# KiCad board SparkFun_BMV080_panelized.kicad_pcb (continued)
## Routing (per net, layer and track width the routed paths; a pad name or vN(x,y) marks a point on that pad's centre or on a via; arc(x,y) is an arc through that point) (continued)
  Top w0.203: 58.55,95.24 58.92,95.24 59.12,95.04 59.12,92.47 v1(58.67,92.03) ; U1#25.6 132.81,16.04 133.01,15.84 133.01,13.28 v1(132.56,12.83) ; v1(83.3,105.23) 83.75,105.67 83.75,108.24 83.55,108.44 U1#10.6 ; U1#28.6 132.81,82.04 133.01,81.84 133.01,79.28 v1(132.56,78.83) ; v1(83.3,26.03) 83.75,26.47 83.75,29.04 83.55,29.24 U1#4.6 ; v1(83.3,65.63) 83.75,66.07 83.75,68.64 83.55,68.84 U1#7.6 ; v1(9.41,92.03) 9.86,92.47 9.86,95.04 9.66,95.24 U1#33.6 ; v1(9.41,39.23) 9.86,39.67 9.86,42.24 9.66,42.44 U1#29.6 ; v1(132.56,26.03) 133.01,26.47 133.01,29.04 132.81,29.24 U1#26.6 ; U1#14.6 108.18,68.84 108.38,68.64 108.38,66.07 v1(107.93,65.63) ; U1#48.6 34.29,68.84 34.49,68.64 34.49,66.07 v1(34.04,65.63) ; v1(34.04,92.03) 34.49,92.47 34.49,95.04 34.29,95.24 U1#50.6 ; U1#19.6 108.18,121.64 108.38,121.44 108.38,118.88 v1(107.93,118.43) ; U1#34.6 9.66,29.24 9.86,29.04 9.86,26.47 v1(9.41,26.03) ; v1(83.3,118.43) 83.75,118.88 83.75,121.44 83.55,121.64 U1#11.6 ; U1#17.6 83.55,95.24 83.75,95.04 83.75,92.47 v1(83.3,92.03) ; v1(9.41,118.43) 9.86,118.88 9.86,121.44 9.66,121.64 U1#47.6 ; v1(107.93,105.23) 108.38,105.67 108.38,108.24 108.18,108.44 U1.6 ; U1#49.6 34.29,82.04 34.49,81.84 34.49,79.28 v1(34.04,78.83) ; v1(107.93,39.23) 108.38,39.67 108.38,42.24 108.18,42.44 U1#18.6 ; v1(34.04,105.23) 34.49,105.67 34.49,108.24 34.29,108.44 U1#53.6 ; U1#21.6 132.81,108.44 133.01,108.24 133.01,105.67 v1(132.56,105.23) ; U1#20.6 132.81,121.64 133.01,121.44 133.01,118.88 v1(132.56,118.43) ; v1(9.41,65.63) 9.86,66.07 9.86,68.64 9.66,68.84 U1#31.6 ; v1(107.93,52.43) 108.38,52.88 108.38,55.44 108.18,55.64 U1#13.6 ; v1(34.04,26.03) 34.49,26.47 34.49,29.04 34.29,29.24 U1#36.6 ; v1(34.04,52.43) 34.49,52.88 34.49,55.44 34.29,55.64 U1#44.6 ; v1(34.04,12.83) 34.49,13.28 34.49,15.84 34.29,16.04 U1#35.6 ; v1(58.67,26.03) 59.12,26.47 59.12,29.04 58.92,29.24 58.55,29.24 ; v1(107.93,26.03) 108.38,26.47 108.38,29.04 108.18,29.24 U1#2.6 ; v1(132.56,52.43) 133.01,52.88 133.01,55.44 132.81,55.64 U1#24.6 ; 58.55,121.64 58.92,121.64 59.12,121.44 59.12,118.88 v1(58.67,118.43) ; v1(58.67,52.43) 59.12,52.88 59.12,55.44 58.92,55.64 58.55,55.64 ; 58.55,42.44 58.92,42.44 59.12,42.24 59.12,39.67 v1(58.67,39.23) ; U1#16.6 83.55,42.44 83.75,42.24 83.75,39.67 v1(83.3,39.23) ; v1(9.41,105.23) 9.86,105.67 9.86,108.24 9.66,108.44 U1#37.6 ; U1#5.6 83.55,55.64 83.75,55.44 83.75,52.88 v1(83.3,52.43) ; v1(58.67,12.83) 59.12,13.28 59.12,15.84 58.92,16.04 58.55,16.04 ; 58.55,108.44 58.92,108.44 59.12,108.24 59.12,105.67 v1(58.67,105.23) ; U1#12.6 108.18,16.04 108.38,15.84 108.38,13.28 v1(107.93,12.83) ; v1(132.56,92.03) 133.01,92.47 133.01,95.04 132.81,95.24 U1#27.6 ; U1#3.6 108.18,95.24 108.38,95.04 108.38,92.47 v1(107.93,92.03) ; v1(9.41,78.83) 9.86,79.28 9.86,81.84 9.66,82.04 U1#32.6 ; U1#30.6 9.66,55.64 9.86,55.44 9.86,52.88 v1(9.41,52.43) ; 58.55,82.04 58.92,82.04 59.12,81.84 59.12,79.28 v1(58.67,78.83) ; U1#15.6 108.18,82.04 108.38,81.84 108.38,79.28 v1(107.93,78.83) ; v1(83.3,12.83) 83.75,13.28 83.75,15.84 83.55,16.04 U1#9.6 ; U1#22.6 132.81,68.84 133.01,68.64 133.01,66.07 v1(132.56,65.63) ; v1(132.56,39.23) 133.01,39.67 133.01,42.24 132.81,42.44 U1#23.6 ; v1(34.04,39.23) 34.49,39.67 34.49,42.24 34.29,42.44 U1#46.6 ; U1#54.6 9.66,16.04 9.86,15.84 9.86,13.28 v1(9.41,12.83) ; v1(58.67,65.63) 59.12,66.07 59.12,68.64 58.92,68.84 58.55,68.84 ; U1#6.6 83.55,82.04 83.75,81.84 83.75,79.28 v1(83.3,78.83) ; v1(34.04,118.43) 34.49,118.88 34.49,121.44 34.29,121.64 U1#51.6
  Bottom w0.2: v1(83.3,12.83) 83.3,13.77 84.23,14.7 J1#25.4 ; v1(132.56,78.83) 132.56,79.77 133.49,80.7 J1#52.4 ; J1#38.4 108.86,80.7 107.93,79.77 v1(107.93,78.83) ; v1(34.04,118.43) 34.04,119.37 34.97,120.3 J1#30.4 ; J1#44.4 133.49,120.3 132.56,119.37 v1(132.56,118.43) ; J1#50.4 133.49,14.7 132.56,13.77 v1(132.56,12.83) ; J1#46.4 108.86,67.5 107.93,66.57 v1(107.93,65.63) ; J1#14.4 59.6,67.5 58.67,66.57 v1(58.67,65.63) ; J1#8.4 10.34,120.3 9.41,119.37 v1(9.41,118.43) ; v1(9.41,105.23) 9.41,106.17 10.34,107.1 J1#7.4 ; v1(107.93,26.03) 107.93,26.97 108.86,27.9 J1#35.4 ; J1#47.4 84.23,120.3 83.3,119.37 v1(83.3,118.43) ; v1(107.93,105.23) 107.93,106.17 108.86,107.1 J1#37.4 ; v1(83.3,105.23) 83.3,106.17 84.23,107.1 J1#45.4 ; v1(58.67,118.43) 58.67,119.37 59.6,120.3 J1#32.4 ; J1#41.4 84.23,80.7 83.3,79.77 v1(83.3,78.83) ; v1(107.93,39.23) 107.93,40.17 108.86,41.1 J1#49.4 ; J1#39.4 133.49,93.9 132.56,92.97 v1(132.56,92.03) ; J1#21.4 59.6,14.7 58.67,13.77 v1(58.67,12.83) ; J1#33.4 108.86,120.3 107.93,119.37 v1(107.93,118.43) ; J1#23.4 59.6,41.1 58.67,40.17 v1(58.67,39.23) ; J1#20.4 59.6,93.9 58.67,92.97 v1(58.67,92.03) ; v1(83.3,26.03) 83.3,26.97 84.23,27.9 J1#22.4 ; v1(107.93,12.83) 107.93,13.77 108.86,14.7 J1#42.4 ; v1(9.41,52.43) 9.41,53.37 10.34,54.3 J1#4.4 ; v1(58.67,26.03) 58.67,26.97 59.6,27.9 J1#24.4 ; J1#51.4 133.49,54.3 132.56,53.37 v1(132.56,52.43) ; J1#31.4 34.97,67.5 34.04,66.57 v1(34.04,65.63) ; J1#27.4 34.97,107.1 34.04,106.17 v1(34.04,105.23) ; J1#53.4 133.49,27.9 132.56,26.97 v1(132.56,26.03) ; v1(107.93,92.03) 107.93,92.97 108.86,93.9 J1#36.4 ; v1(132.56,65.63) 132.56,66.57 133.49,67.5 J1#40.4 ; v1(83.3,92.03) 83.3,92.97 84.23,93.9 J1#48.4 ; J1.4 10.34,14.7 9.41,13.77 v1(9.41,12.83) ; v1(9.41,78.83) 9.41,79.77 10.34,80.7 J1#6.4 ; J1#2.4 10.34,41.1 9.41,40.17 v1(9.41,39.23) ; v1(34.04,39.23) 34.04,40.17 34.97,41.1 J1#11.4 ; J1#9.4 34.97,14.7 34.04,13.77 v1(34.04,12.83) ; J1#26.4 34.97,93.9 34.04,92.97 v1(34.04,92.03) ; J1#17.4 59.6,54.3 58.67,53.37 v1(58.67,52.43) ; v1(34.04,26.03) 34.04,26.97 34.97,27.9 J1#10.4 ; J1#29.4 84.23,41.1 83.3,40.17 v1(83.3,39.23) ; J1#18.4 59.6,80.7 58.67,79.77 v1(58.67,78.83) ; J1#34.4 108.86,54.3 107.93,53.37 v1(107.93,52.43) ; J1#3.4 10.34,27.9 9.41,26.97 v1(9.41,26.03) ; v1(34.04,52.43) 34.04,53.37 34.97,54.3 J1#12.4 ; v1(83.3,65.63) 83.3,66.57 84.23,67.5 J1#16.4 ; J1#15.4 84.23,54.3 83.3,53.37 v1(83.3,52.43) ; v1(9.41,92.03) 9.41,92.97 10.34,93.9 J1#13.4 ; v1(132.56,39.23) 132.56,40.17 133.49,41.1 J1#54.4 ; v1(132.56,105.23) 132.56,106.17 133.49,107.1 J1#43.4 ; J1#19.4 34.97,80.7 34.04,79.77 v1(34.04,78.83) ; v1(58.67,105.23) 58.67,106.17 59.6,107.1 J1#28.4 ; v1(9.41,65.63) 9.41,66.57 10.34,67.5 J1#5.4
  Bottom w0.203: J2#51.3 138.27,102.41 136.22,102.41 135.59,103.04 133.9,103.04 132.56,104.38 v1(132.56,105.23) ; v1(83.3,105.23) 83.3,104.38 84.64,103.04 86.33,103.04 86.96,102.41 89.01,102.41 J2#35.3 ; J2#17.3 89.01,62.81 86.96,62.81 86.33,63.44 84.64,63.44 83.3,64.78 v1(83.3,65.63) ; 114.89,35.16 113.64,36.41 111.59,36.41 110.96,37.04 109.27,37.04 107.93,38.38 v1(107.93,39.23) ; J2#33.3 64.38,36.41 62.33,36.41 61.7,37.04 60.01,37.04 58.67,38.38 v1(58.67,39.23) ; J2#46.3 138.27,23.21 136.22,23.21 135.59,23.84 133.9,23.84 132.56,25.18 v1(132.56,26.03) ; v1(34.04,52.43) 34.04,51.58 35.38,50.24 37.07,50.24 37.7,49.61 39.75,49.61 J2#14.3 ; J2#31.3 64.38,115.61 62.33,115.61 61.7,116.24 60.01,116.24 58.67,117.58 v1(58.67,118.43) ; J2#41.3 138.27,36.41 136.22,36.41 135.59,37.04 133.9,37.04 132.56,38.38 v1(132.56,39.23) ; J2#26.3 64.38,89.21 62.33,89.21 61.7,89.84 60.01,89.84 58.67,91.18 v1(58.67,92.03) ; v1(107.93,118.43) 107.93,117.58 109.27,116.24 110.96,116.24 111.59,115.61 113.64,115.61 114.89,114.36 ; J2#29.3 89.01,76.01 86.96,76.01 86.33,76.64 84.64,76.64 83.3,77.98 v1(83.3,78.83) ; v1(107.93,92.03) 107.93,91.18 109.27,89.84 110.96,89.84 111.59,89.21 113.64,89.21 114.89,87.95 ; J2#2.3 39.75,10.01 37.7,10.01 37.07,10.64 35.38,10.64 34.04,11.98 v1(34.04,12.83) ; J2#4.3 15.12,62.81 13.07,62.81 12.44,63.44 10.75,63.44 9.41,64.78 v1(9.41,65.63) ; v1(107.93,105.23) 107.93,104.38 109.27,103.04 110.96,103.04 111.59,102.41 113.64,102.41 114.89,101.16 ; J2#7.3 15.12,36.41 13.07,36.41 12.44,37.04 10.75,37.04 9.41,38.38 v1(9.41,39.23) ; v1(132.56,65.63) 132.56,64.78 133.9,63.44 135.59,63.44 136.22,62.81 138.27,62.81 J2#37.3 ; v1(58.67,65.63) 58.67,64.78 60.01,63.44 61.7,63.44 62.33,62.81 64.38,62.81 J2#30.3 ; v1(9.41,105.23) 9.41,104.38 10.75,103.04 12.44,103.04 13.07,102.41 15.12,102.41 J2#11.3 ; v1(83.3,92.03) 83.3,91.18 84.64,89.84 86.33,89.84 86.96,89.21 89.01,89.21 J2#34.3 ; v1(34.04,39.23) 34.04,38.38 35.38,37.04 37.07,37.04 37.7,36.41 39.75,36.41 J2#3.3 ; J2#24.3 64.38,102.41 62.33,102.41 61.7,103.04 60.01,103.04 58.67,104.38 v1(58.67,105.23) ; v1(9.41,26.03) 9.41,25.18 10.75,23.84 12.44,23.84 13.07,23.21 15.12,23.21 J2#8.3 ; v1(83.3,12.83) 83.3,11.98 84.64,10.64 86.33,10.64 86.96,10.01 89.01,10.01 J2#25.3 ; v1(34.04,105.23) 34.04,104.38 35.38,103.04 37.07,103.04 37.7,102.41 39.75,102.41 J2#19.3 ; v1(58.67,78.83) 58.67,77.98 60.01,76.64 61.7,76.64 62.33,76.01 64.38,76.01 J2#22.3 ; v1(132.56,92.03) 132.56,91.18 133.9,89.84 135.59,89.84 136.22,89.21 138.27,89.21 J2#49.3 ; 114.89,74.75 113.64,76.01 111.59,76.01 110.96,76.64 109.27,76.64 107.93,77.98 v1(107.93,78.83) ; J2#48.3 138.27,76.01 136.22,76.01 135.59,76.64 133.9,76.64 132.56,77.98 v1(132.56,78.83) ; 114.89,21.95 113.64,23.21 111.59,23.21 110.96,23.84 109.27,23.84 107.93,25.18 v1(107.93,26.03) ; v1(9.41,92.03) 9.41,91.18 10.75,89.84 12.44,89.84 13.07,89.21 15.12,89.21 J2#9.3 ; v1(83.3,26.03) 83.3,25.18 84.64,23.84 86.33,23.84 86.96,23.21 89.01,23.21 J2#27.3 ; J2#12.3 15.12,115.61 13.07,115.61 12.44,116.24 10.75,116.24 9.41,117.58 v1(9.41,118.43) ; J2#47.3 138.27,49.61 136.22,49.61 135.59,50.24 133.9,50.24 132.56,51.58 v1(132.56,52.43) ; J2.3 15.12,10.01 13.07,10.01 12.44,10.64 10.75,10.64 9.41,11.98 v1(9.41,12.83) ; J2#6.3 15.12,76.01 13.07,76.01 12.44,76.64 10.75,76.64 9.41,77.98 v1(9.41,78.83) ; J2#21.3 64.38,10.01 62.33,10.01 61.7,10.64 60.01,10.64 58.67,11.98 v1(58.67,12.83) ; v1(83.3,52.43) 83.3,51.58 84.64,50.24 86.33,50.24 86.96,49.61 89.01,49.61 J2#28.3 ; v1(34.04,65.63) 34.04,64.78 35.38,63.44 37.07,63.44 37.7,62.81 39.75,62.81 J2#15.3 ; J2#23.3 39.75,89.21 37.7,89.21 37.07,89.84 35.38,89.84 34.04,91.18 v1(34.04,92.03) ; J2#39.3 138.27,10.01 136.22,10.01 135.59,10.64 133.9,10.64 132.56,11.98 v1(132.56,12.83) ; v1(9.41,52.43) 9.41,51.58 10.75,50.24 12.44,50.24 13.07,49.61 15.12,49.61 J2#10.3 ; v1(34.04,78.83) 34.04,77.98 35.38,76.64 37.07,76.64 37.7,76.01 39.75,76.01 J2#5.3 ; 114.89,48.35 113.64,49.61 111.59,49.61 110.96,50.24 109.27,50.24 107.93,51.58 v1(107.93,52.43) ; 114.89,61.55 113.64,62.81 111.59,62.81 110.96,63.44 109.27,63.44 107.93,64.78 v1(107.93,65.63) ; v1(132.56,118.43) 132.56,117.58 133.9,116.24 135.59,116.24 136.22,115.61 138.27,115.61 J2#53.3 ; J2#20.3 39.75,115.61 37.7,115.61 37.07,116.24 35.38,116.24 34.04,117.58 v1(34.04,118.43) ; J2#18.3 64.38,23.21 62.33,23.21 61.7,23.84 60.01,23.84 58.67,25.18 v1(58.67,26.03) ; 114.89,8.75 113.64,10.01 111.59,10.01 110.96,10.64 109.27,10.64 107.93,11.98 v1(107.93,12.83) ; J2#16.3 64.38,49.61 62.33,49.61 61.7,50.24 60.01,50.24 58.67,51.58 v1(58.67,52.43) ; J2#32.3 89.01,36.41 86.96,36.41 86.33,37.04 84.64,37.04 83.3,38.38 v1(83.3,39.23) ; v1(83.3,118.43) 83.3,117.58 84.64,116.24 86.33,116.24 86.96,115.61 89.01,115.61 J2#36.3 ; J2#13.3 39.75,23.21 37.7,23.21 37.07,23.84 35.38,23.84 34.04,25.18 v1(34.04,26.03)
SDA: length 1078.8
  Top w0.2: J2#23.4 43.55,89.17 44.07,89.7 R5#2.1 ; v1(35.49,79.69) 35.49,82.08 35.75,82.34 U1#49.5 ; U1#46.5 35.75,42.74 35.49,42.48 v1(35.49,40.09) ; v1(134.01,13.69) 134.01,16.08 134.27,16.34 U1#25.5 ; R5#9.1 19.44,76.5 18.92,75.97 J2#6.4 ; J2#5.4 43.55,75.97 44.07,76.5 R5#14.1 ; v1(60.12,40.09) 60.12,42.48 60.38,42.74 U1#39.5 ; v1(35.49,92.89) 35.49,95.28 35.75,95.54 U1#50.5 ; R5#23.1 68.7,50.1 68.17,49.57 J2#16.4 ; R5#50.1 142.59,23.7 142.06,23.17 J2#46.4 ; U1#16.5 85.01,42.74 84.75,42.48 v1(84.75,40.09) ; J2#21.4 68.17,9.97 68.7,10.5 R5#18.1 ; R5#41.1 117.96,76.5 117.44,75.97 J2#43.4 ; R5#19.1 68.7,23.7 68.17,23.17 J2#18.4 ; J2#14.4 43.55,49.57 44.07,50.1 R5#10.1 ; 110.25,95.54 109.64,95.54 109.38,95.28 v1(109.38,92.89) ; R5#46.1 117.96,36.9 117.44,36.38 J2#40.4 ; U1#11.5 85.01,121.94 84.75,121.68 v1(84.75,119.29) ; R5#52.1 142.59,102.9 142.06,102.38 J2#51.4 ; J2#35.4 92.8,102.38 93.33,102.9 R5#35.1 ; J2#41.4 142.06,36.38 142.59,36.9 R5#39.1 ; U1#10.5 85.01,108.74 84.75,108.48 v1(84.75,106.09) ; R5#32.1 93.33,63.3 92.8,62.77 J2#17.4 ; v1(109.38,53.29) 109.38,55.68 109.64,55.94 110.25,55.94 ; R5#24.1 117.96,23.7 117.44,23.17 J2#42.4 ; v1(10.86,53.29) 10.86,55.68 11.12,55.94 U1#30.5 ; J2#39.4 142.06,9.97 142.59,10.5 R5#38.1 ; v1(35.49,106.09) 35.49,108.48 35.75,108.74 U1#53.5 ; v1(60.12,119.29) 60.12,121.68 60.38,121.94 U1#8.5 ; U1#28.5 134.27,82.34 134.01,82.08 v1(134.01,79.69) ; 110.25,82.34 109.64,82.34 109.38,82.08 v1(109.38,79.69) ; R5#44.1 142.59,89.7 142.06,89.17 J2#49.4 ; U1#43.5 60.38,69.14 60.12,68.88 v1(60.12,66.49) ; U1#45.5 60.38,95.54 60.12,95.28 v1(60.12,92.89) ; v1(109.38,106.09) 109.38,108.48 109.64,108.74 110.25,108.74 ; J2#15.4 43.55,62.77 44.07,63.3 R5#12.1 ; R5#13.1 19.44,63.3 18.92,62.77 J2#4.4 ; v1(134.01,40.09) 134.01,42.48 134.27,42.74 U1#23.5 ; J2#33.4 68.17,36.38 68.7,36.9 R5#20.1 ; U1#17.5 85.01,95.54 84.75,95.28 v1(84.75,92.89) ; R5#28.1 68.7,76.5 68.17,75.97 J2#22.4 ; U1#40.5 60.38,55.94 60.12,55.68 v1(60.12,53.29) ; R5#29.1 68.7,116.1 68.17,115.58 J2#31.4 ; v1(109.38,26.89) 109.38,29.28 109.64,29.54 110.25,29.54 ; v1(84.75,79.69) 84.75,82.08 85.01,82.34 U1#6.5 ; J2#36.4 92.8,115.58 93.33,116.1 R5#36.1 ; v1(109.38,119.29) 109.38,121.68 109.64,121.94 110.25,121.94 ; J2#47.4 142.06,49.57 142.59,50.1 R5#43.1 ; R5#42.1 142.59,76.5 142.06,75.97 J2#48.4 ; v1(84.75,26.89) 84.75,29.28 85.01,29.54 U1#4.5 ; R5#5.1 19.44,23.7 18.92,23.17 J2#8.4 ; R5#33.1 93.33,89.7 92.8,89.17 J2#34.4 ; U1#9.5 85.01,16.34 84.75,16.08 v1(84.75,13.69) ; U1#22.5 134.27,69.14 134.01,68.88 v1(134.01,66.49) ; J2#50.4 117.44,62.77 117.96,63.3 R5#49.1 ; v1(134.01,92.89) 134.01,95.28 134.27,95.54 U1#27.5 ; R5#48.1 117.96,89.7 117.44,89.17 J2#44.4 ; R5#3.1 19.44,102.9 18.92,102.38 J2#11.4 ; U1#24.5 134.27,55.94 134.01,55.68 v1(134.01,53.29) ; v1(35.49,13.69) 35.49,16.08 35.75,16.34 U1#35.5 ; v1(60.12,106.09) 60.12,108.48 60.38,108.74 U1#42.5 ; R5#30.1 68.7,102.9 68.17,102.38 J2#24.4 ; v1(10.86,92.89) 10.86,95.28 11.12,95.54 U1#33.5 ; R5.1 44.07,102.9 43.55,102.38 J2#19.4 ; U1#51.5 35.75,121.94 35.49,121.68 v1(35.49,119.29) ; J2#25.4 92.8,9.97 93.33,10.5 R5#34.1 ; U1#5.5 85.01,55.94 84.75,55.68 v1(84.75,53.29) ; v1(10.86,106.09) 10.86,108.48 11.12,108.74 U1#37.5 ; v1(134.01,26.89) 134.01,29.28 134.27,29.54 U1#26.5 ; R5#7.1 44.07,10.5 43.55,9.97 J2#2.4 ; v1(35.49,53.29) 35.49,55.68 35.75,55.94 U1#44.5 ; J2#3.4 43.55,36.38 44.07,36.9 R5#8.1 ; v1(109.38,66.49) 109.38,68.88 109.64,69.14 110.25,69.14 ; R5#11.1 19.44,50.1 18.92,49.57 J2#10.4 ; v1(60.12,79.69) 60.12,82.08 60.38,82.34 U1#41.5 ; R5#45.1 117.96,116.1 117.44,115.58 J2#45.4 ; v1(10.86,26.89) 10.86,29.28 11.12,29.54 U1#34.5 ; v1(35.49,26.89) 35.49,29.28 35.75,29.54 U1#36.5 ; U1#20.5 134.27,121.94 134.01,121.68 v1(134.01,119.29) ; v1(35.49,66.49) 35.49,68.88 35.75,69.14 U1#48.5 ; J2.4 18.92,9.97 19.44,10.5 R5#54.1 ; 110.25,16.34 109.64,16.34 109.38,16.08 v1(109.38,13.69) ; U1#54.5 11.12,16.34 10.86,16.08 v1(10.86,13.69) ; v1(134.01,106.09) 134.01,108.48 134.27,108.74 U1#21.5 ; R5#4.1 19.44,36.9 18.92,36.38 J2#7.4 ; J2#37.4 142.06,62.77 142.59,63.3 R5#51.1 ; R5#47.1 117.96,50.1 117.44,49.57 J2#38.4 ; R5#27.1 93.33,50.1 92.8,49.57 J2#28.4 ; J2#32.4 92.8,36.38 93.33,36.9 R5#21.1 ; J2#27.4 92.8,23.17 93.33,23.7 R5#31.1 ; J2#29.4 92.8,75.97 93.33,76.5 R5#22.1 ; v1(84.75,66.49) 84.75,68.88 85.01,69.14 U1#7.5 ; J2#53.4 142.06,115.58 142.59,116.1 R5#53.1 ; v1(10.86,40.09) 10.86,42.48 11.12,42.74 U1#29.5 ; R5#15.1 19.44,89.7 18.92,89.17 J2#9.4 ; R5#37.1 117.96,10.5 117.44,9.97 J2#54.4 ; J2#13.4 43.55,23.17 44.07,23.7 R5#16.1 ; J2#30.4 68.17,62.77 68.7,63.3 R5#26.1 ; U1#32.5 11.12,82.34 10.86,82.08 v1(10.86,79.69) ; J2#26.4 68.17,89.17 68.7,89.7 R5#25.1 ; J2#52.4 117.44,102.38 117.96,102.9 R5#40.1 ; v1(109.38,40.09) 109.38,42.48 109.64,42.74 110.25,42.74 ; U1#38.5 60.38,29.54 60.12,29.28 v1(60.12,26.89) ; J2#12.4 18.92,115.58 19.44,116.1 R5#6.1 ; U1#47.5 11.12,121.94 10.86,121.68 v1(10.86,119.29) ; U1#52.5 60.38,16.34 60.12,16.08 v1(60.12,13.69) ; v1(10.86,66.49) 10.86,68.88 11.12,69.14 U1#31.5 ; J2#20.4 43.55,115.58 44.07,116.1 R5#17.1
  Bottom w0.2: J2#22.4 68.17,75.53 67.28,76.43 62.54,76.43 61.93,77.04 60.18,77.04 59.29,77.93 59.29,78.87 60.11,79.69 v1(60.12,79.69) 60.14,79.7 J1#18.3 ; J2#6.4 18.92,75.53 18.02,76.43 13.28,76.43 12.67,77.04 10.92,77.04 10.03,77.93 10.03,78.87 10.85,79.69 v1(10.86,79.69) 10.88,79.7 J1#6.3 ; J1#15.3 84.77,53.3 v1(84.75,53.29) 84.74,53.29 83.92,52.47 83.92,51.53 84.81,50.64 86.56,50.64 87.17,50.03 91.91,50.03 92.8,49.13 J2#28.4 ; J2#27.4 92.8,22.73 91.91,23.63 87.17,23.63 86.56,24.24 84.81,24.24 83.92,25.13 83.92,26.07 84.74,26.89 v1(84.75,26.89) 84.77,26.9 J1#22.3 ; J1#12.3 35.51,53.3 v1(35.49,53.29) 35.48,53.29 34.66,52.47 34.66,51.53 35.55,50.64 37.3,50.64 37.91,50.03 42.65,50.03 43.55,49.13 J2#14.4 ; J1#43.3 134.03,106.1 v1(134.01,106.09) 134,106.09 133.18,105.27 133.18,104.33 134.07,103.44 135.82,103.44 136.43,102.83 141.17,102.83 142.06,101.94 J2#51.4 ; J1#24.3 60.14,26.9 v1(60.12,26.89) 60.11,26.89 59.29,26.07 59.29,25.13 60.18,24.24 61.93,24.24 62.54,23.63 67.28,23.63 68.17,22.73 J2#18.4 ; J2#25.4 92.8,9.53 91.91,10.43 87.17,10.43 86.56,11.04 84.81,11.04 83.92,11.93 83.92,12.87 84.74,13.69 v1(84.75,13.69) 84.77,13.7 J1#25.3 ; J2#36.4 92.8,115.14 91.91,116.03 87.17,116.03 86.56,116.64 84.81,116.64 83.92,117.53 83.92,118.47 84.74,119.29 v1(84.75,119.29) 84.77,119.3 J1#47.3 ; J2#47.4 142.06,49.13 141.17,50.03 136.43,50.03 135.82,50.64 134.07,50.64 133.18,51.53 133.18,52.47 134,53.29 v1(134.01,53.29) 134.03,53.3 J1#51.3 ; J2#2.4 43.55,9.53 42.65,10.43 37.91,10.43 37.3,11.04 35.55,11.04 34.66,11.93 34.66,12.87 35.48,13.69 v1(35.49,13.69) 35.51,13.7 J1#9.3 ; J2#8.4 18.92,22.73 18.02,23.63 13.28,23.63 12.67,24.24 10.92,24.24 10.03,25.13 10.03,26.07 10.85,26.89 v1(10.86,26.89) 10.88,26.9 J1#3.3 ; J1#10.3 35.51,26.9 v1(35.49,26.89) 35.48,26.89 34.66,26.07 34.66,25.13 35.55,24.24 37.3,24.24 37.91,23.63 42.65,23.63 43.55,22.73 J2#13.4 ; J2#48.4 142.06,75.53 141.17,76.43 136.43,76.43 135.82,77.04 134.07,77.04 133.18,77.93 133.18,78.87 134,79.69 v1(134.01,79.69) 134.03,79.7 J1#52.3 ; J2#24.4 68.17,101.94 67.28,102.83 62.54,102.83 61.93,103.44 60.18,103.44 59.29,104.33 59.29,105.27 60.11,106.09 v1(60.12,106.09) 60.14,106.1 J1#28.3 ; J1#53.3 134.03,26.9 v1(134.01,26.89) 134,26.89 133.18,26.07 133.18,25.13 134.07,24.24 135.82,24.24 136.43,23.63 141.17,23.63 142.06,22.73 J2#46.4 ; J1#16.3 84.77,66.5 v1(84.75,66.49) 84.74,66.49 83.92,65.67 83.92,64.73 84.81,63.84 86.56,63.84 87.17,63.23 91.91,63.23 92.8,62.34 J2#17.4 ; J1#23.3 60.14,40.1 v1(60.12,40.09) 60.11,40.09 59.29,39.27 59.29,38.33 60.18,37.44 61.93,37.44 62.54,36.83 67.28,36.83 68.17,35.94 J2#33.4 ; J2#21.4 68.17,9.53 67.28,10.43 62.54,10.43 61.93,11.04 60.18,11.04 59.29,11.93 59.29,12.87 60.11,13.69 v1(60.12,13.69) 60.14,13.7 J1#21.3 ; J1#14.3 60.14,66.5 v1(60.12,66.49) 60.11,66.49 59.29,65.67 59.29,64.73 60.18,63.84 61.93,63.84 62.54,63.23 67.28,63.23 68.17,62.34 J2#30.4 ; J1#50.3 134.03,13.7 v1(134.01,13.69) 134,13.69 133.18,12.87 133.18,11.93 134.07,11.04 135.82,11.04 136.43,10.43 141.17,10.43 142.06,9.53 J2#39.4 ; J1#45.3 84.77,106.1 v1(84.75,106.09) 84.74,106.09 83.92,105.27 83.92,104.33 84.81,103.44 86.56,103.44 87.17,102.83 91.91,102.83 92.8,101.94 J2#35.4 ; J2#32.4 92.8,35.94 91.91,36.83 87.17,36.83 86.56,37.44 84.81,37.44 83.92,38.33 83.92,39.27 84.74,40.09 v1(84.75,40.09) 84.77,40.1 J1#29.3 ; J2#49.4 142.06,88.73 141.17,89.63 136.43,89.63 135.82,90.24 134.07,90.24 133.18,91.13 133.18,92.07 134,92.89 v1(134.01,92.89) 134.03,92.9 J1#39.3 ; J2#29.4 92.8,75.53 91.91,76.43 87.17,76.43 86.56,77.04 84.81,77.04 83.92,77.93 83.92,78.87 84.74,79.69 v1(84.75,79.69) 84.77,79.7 J1#41.3 ; J2#7.4 18.92,35.94 18.02,36.83 13.28,36.83 12.67,37.44 10.92,37.44 10.03,38.33 10.03,39.27 10.85,40.09 v1(10.86,40.09) 10.88,40.1 J1#2.3 ; J2#44.4 117.44,88.73 116.54,89.63 111.8,89.63 111.19,90.24 109.44,90.24 108.55,91.13 108.55,92.07 109.37,92.89 v1(109.38,92.89) 109.4,92.9 J1#36.3 ; J1#34.3 109.4,53.3 v1(109.38,53.29) 109.37,53.29 108.55,52.47 108.55,51.53 109.44,50.64 111.19,50.64 111.8,50.03 116.54,50.03 117.44,49.13 J2#38.4 ; J2#15.4 43.55,62.34 42.65,63.23 37.91,63.23 37.3,63.84 35.55,63.84 34.66,64.73 34.66,65.67 35.48,66.49 v1(35.49,66.49) 35.51,66.5 J1#31.3 ; J2#53.4 142.06,115.14 141.17,116.03 136.43,116.03 135.82,116.64 134.07,116.64 133.18,117.53 133.18,118.47 134,119.29 v1(134.01,119.29) 134.03,119.3 J1#44.3 ; J1#33.3 109.4,119.3 v1(109.38,119.29) 109.37,119.29 108.55,118.47 108.55,117.53 109.44,116.64 111.19,116.64 111.8,116.03 116.54,116.03 117.44,115.14 J2#45.4 ; J2#26.4 68.17,88.73 67.28,89.63 62.54,89.63 61.93,90.24 60.18,90.24 59.29,91.13 59.29,92.07 60.11,92.89 v1(60.12,92.89) 60.14,92.9 J1#20.3 ; J1#54.3 134.03,40.1 v1(134.01,40.09) 134,40.09 133.18,39.27 133.18,38.33 134.07,37.44 135.82,37.44 136.43,36.83 141.17,36.83 142.06,35.94 J2#41.4 ; J1#17.3 60.14,53.3 v1(60.12,53.29) 60.11,53.29 59.29,52.47 59.29,51.53 60.18,50.64 61.93,50.64 62.54,50.03 67.28,50.03 68.17,49.13 J2#16.4 ; J2#42.4 117.44,22.73 116.54,23.63 111.8,23.63 111.19,24.24 109.44,24.24 108.55,25.13 108.55,26.07 109.37,26.89 v1(109.38,26.89) 109.4,26.9 J1#35.3 ; J2#19.4 43.55,101.94 42.65,102.83 37.91,102.83 37.3,103.44 35.55,103.44 34.66,104.33 34.66,105.27 35.48,106.09 v1(35.49,106.09) 35.51,106.1 J1#27.3 ; J1#11.3 35.51,40.1 v1(35.49,40.09) 35.48,40.09 34.66,39.27 34.66,38.33 35.55,37.44 37.3,37.44 37.91,36.83 42.65,36.83 43.55,35.94 J2#3.4 ; J2#23.4 43.55,88.73 42.65,89.63 37.91,89.63 37.3,90.24 35.55,90.24 34.66,91.13 34.66,92.07 35.48,92.89 v1(35.49,92.89) 35.51,92.9 J1#26.3 ; J1#40.3 134.03,66.5 v1(134.01,66.49) 134,66.49 133.18,65.67 133.18,64.73 134.07,63.84 135.82,63.84 136.43,63.23 141.17,63.23 142.06,62.34 J2#37.4 ; J1#37.3 109.4,106.1 v1(109.38,106.09) 109.37,106.09 108.55,105.27 108.55,104.33 109.44,103.44 111.19,103.44 111.8,102.83 116.54,102.83 117.44,101.94 J2#52.4 ; J2#9.4 18.92,88.73 18.02,89.63 13.28,89.63 12.67,90.24 10.92,90.24 10.03,91.13 10.03,92.07 10.85,92.89 v1(10.86,92.89) 10.88,92.9 J1#13.3 ; J2#12.4 18.92,115.14 18.02,116.03 13.28,116.03 12.67,116.64 10.92,116.64 10.03,117.53 10.03,118.47 10.85,119.29 v1(10.86,119.29) 10.88,119.3 J1#8.3 ; J1#5.3 10.88,66.5 v1(10.86,66.49) 10.85,66.49 10.03,65.67 10.03,64.73 10.92,63.84 12.67,63.84 13.28,63.23 18.02,63.23 18.92,62.34 J2#4.4 ; J1#30.3 35.51,119.3 v1(35.49,119.29) 35.48,119.29 34.66,118.47 34.66,117.53 35.55,116.64 37.3,116.64 37.91,116.03 42.65,116.03 43.55,115.14 J2#20.4 ; J1#19.3 35.51,79.7 v1(35.49,79.69) 35.48,79.69 34.66,78.87 34.66,77.93 35.55,77.04 37.3,77.04 37.91,76.43 42.65,76.43 43.55,75.53 J2#5.4 ; J1#7.3 10.88,106.1 v1(10.86,106.09) 10.85,106.09 10.03,105.27 10.03,104.33 10.92,103.44 12.67,103.44 13.28,102.83 18.02,102.83 18.92,101.94 J2#11.4 ; J2#34.4 92.8,88.73 91.91,89.63 87.17,89.63 86.56,90.24 84.81,90.24 83.92,91.13 83.92,92.07 84.74,92.89 v1(84.75,92.89) 84.77,92.9 J1#48.3 ; J1.3 10.88,13.7 v1(10.86,13.69) 10.85,13.69 10.03,12.87 10.03,11.93 10.92,11.04 12.67,11.04 13.28,10.43 18.02,10.43 18.92,9.53 J2.4 ; J1#46.3 109.4,66.5 v1(109.38,66.49) 109.37,66.49 108.55,65.67 108.55,64.73 109.44,63.84 111.19,63.84 111.8,63.23 116.54,63.23 117.44,62.34 J2#50.4 ; J2#10.4 18.92,49.13 18.02,50.03 13.28,50.03 12.67,50.64 10.92,50.64 10.03,51.53 10.03,52.47 10.85,53.29 v1(10.86,53.29) 10.88,53.3 J1#4.3 ; J2#31.4 68.17,115.14 67.28,116.03 62.54,116.03 61.93,116.64 60.18,116.64 59.29,117.53 59.29,118.47 60.11,119.29 v1(60.12,119.29) 60.14,119.3 J1#32.3 ; J1#42.3 109.4,13.7 v1(109.38,13.69) 109.37,13.69 108.55,12.87 108.55,11.93 109.44,11.04 111.19,11.04 111.8,10.43 116.54,10.43 117.44,9.53 J2#54.4 ; J1#49.3 109.4,40.1 v1(109.38,40.09) 109.37,40.09 108.55,39.27 108.55,38.33 109.44,37.44 111.19,37.44 111.8,36.83 116.54,36.83 117.44,35.94 J2#40.4 ; J1#38.3 109.4,79.7 v1(109.38,79.69) 109.37,79.69 108.55,78.87 108.55,77.93 109.44,77.04 111.19,77.04 111.8,76.43 116.54,76.43 117.44,75.53 J2#43.4
